# Altium PCB FMC_ADC_130M_16B_4CH.PcbDoc (part 3 of 8) (continued)
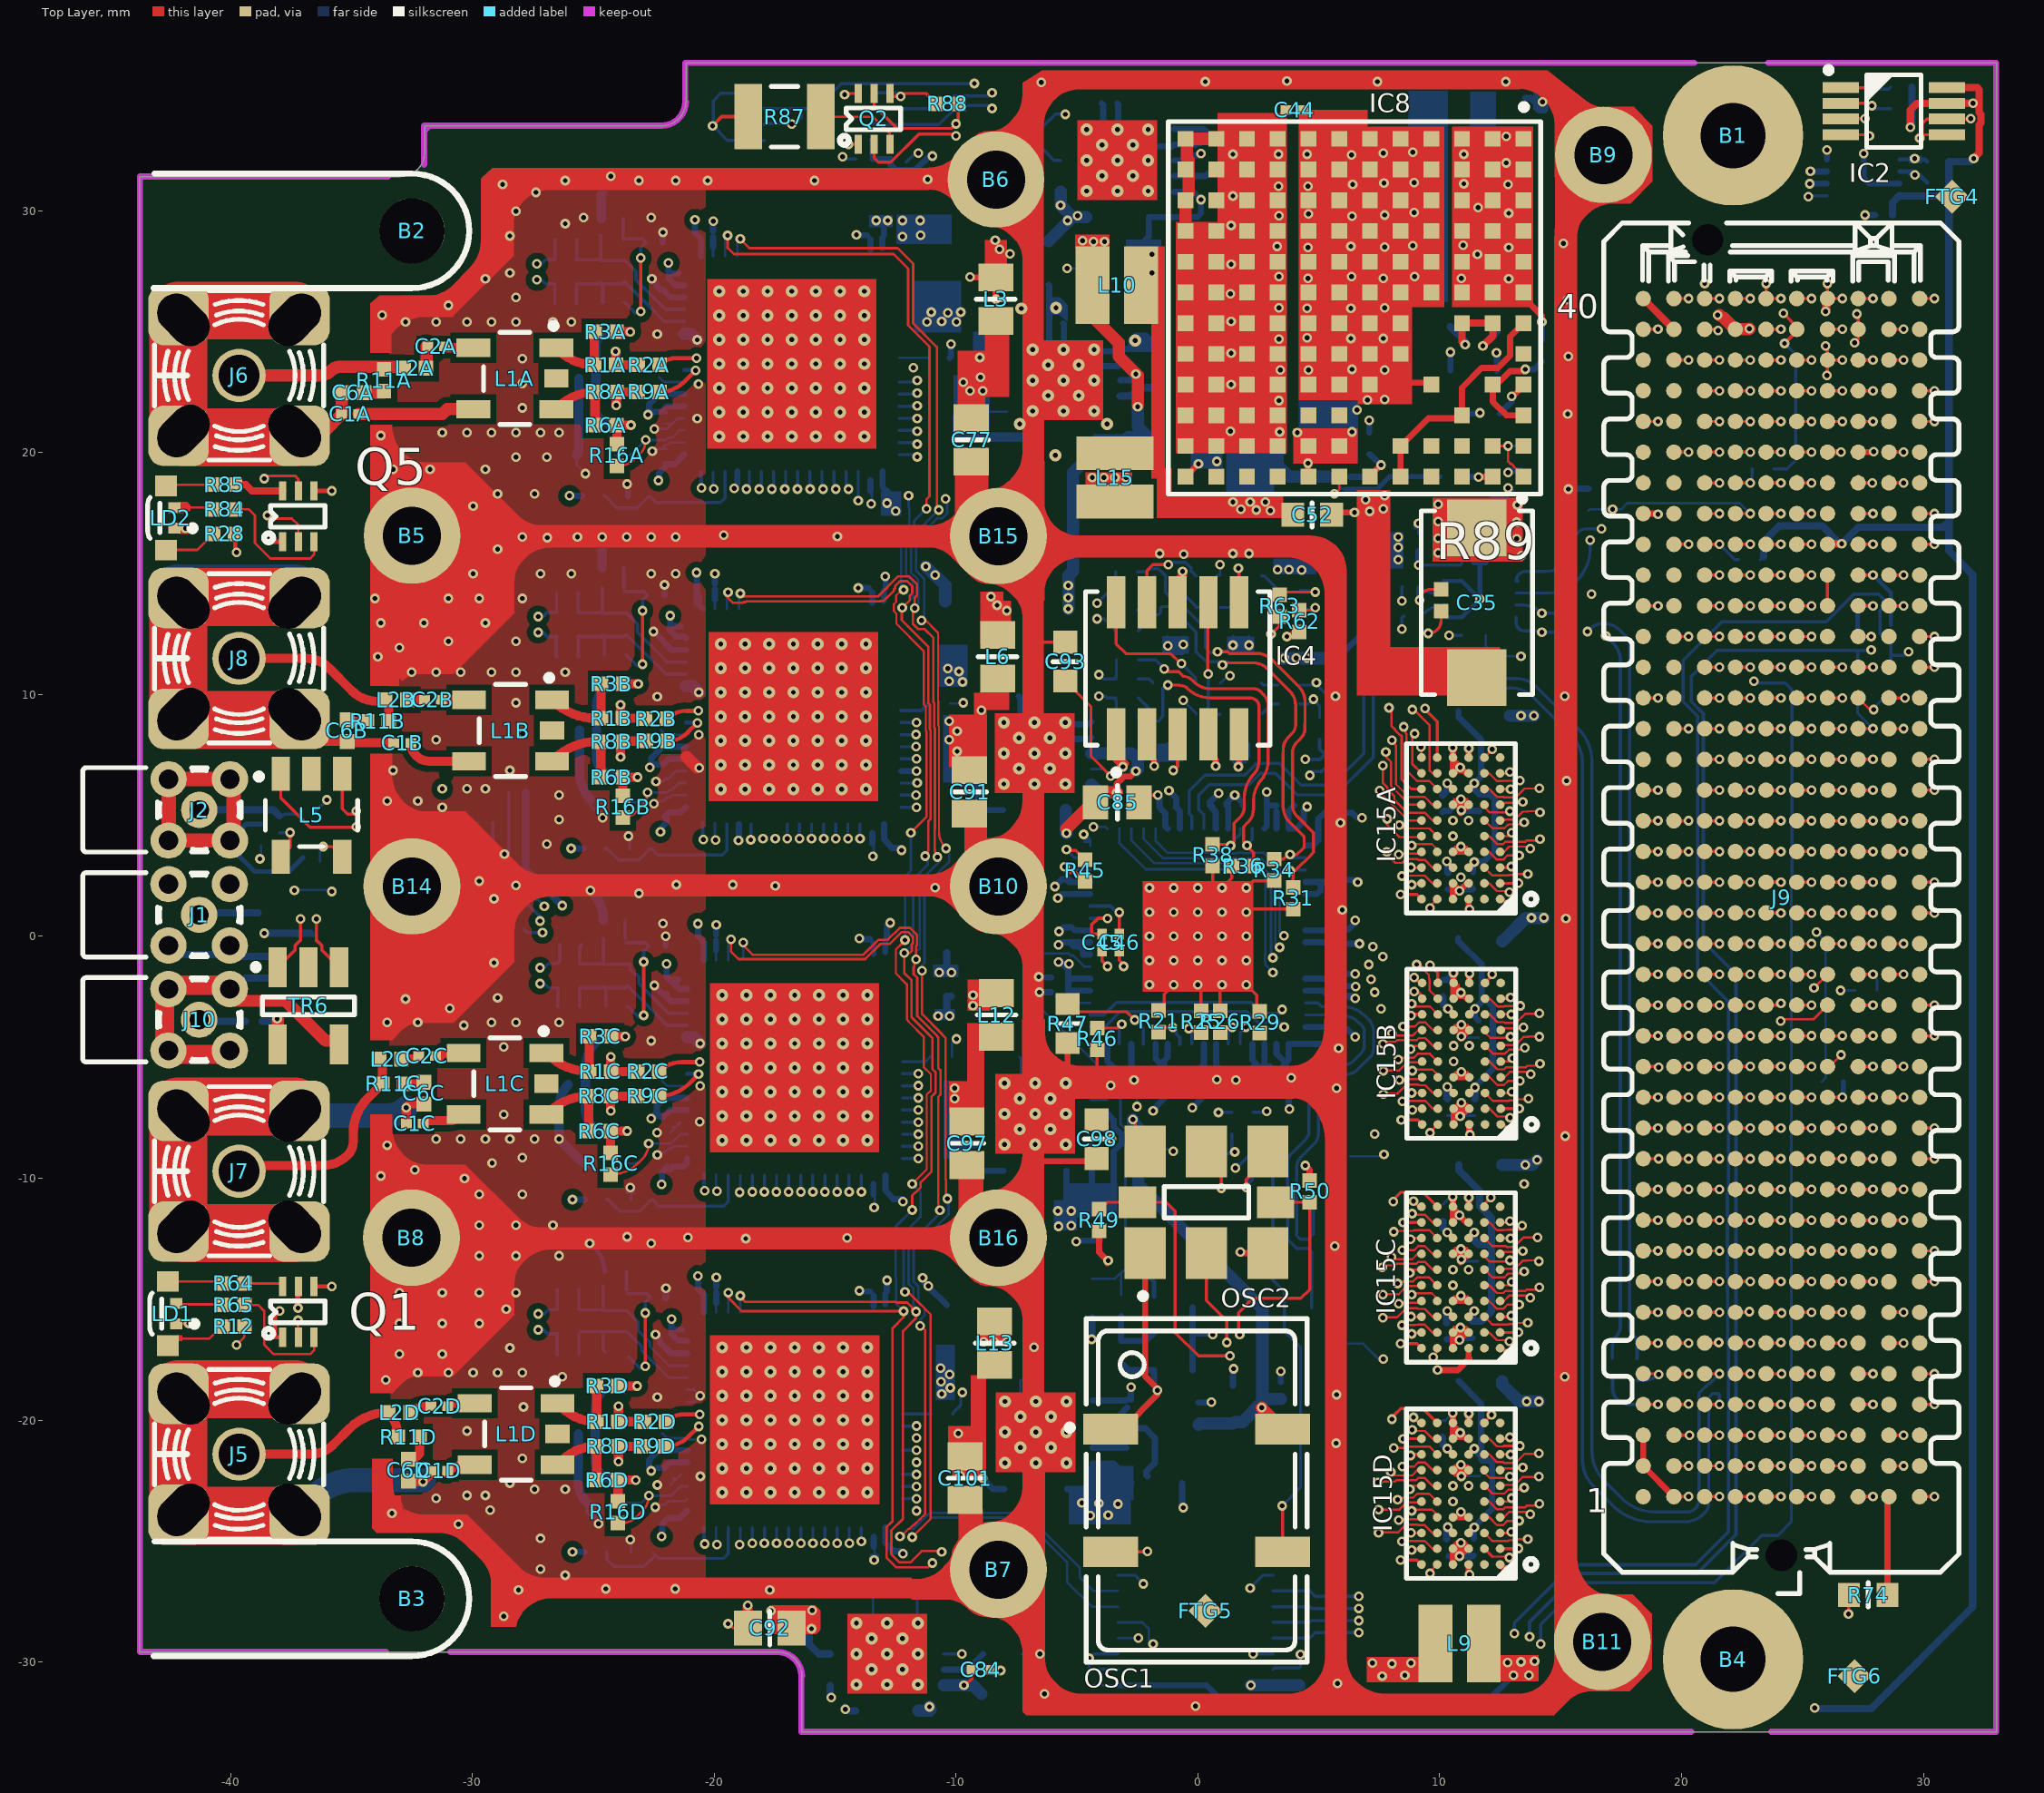
[diagram p0: Top Layer view]
## Nets (pads, with @x,y where several pads share a name; then routed paths per layer and width w, separated by ;. In a path a pad name is that pad's centre, name@x,y a point inside that pad or via, vN(x,y) a via of type N, cw(c..) or ccw(c..) an arc to the next point about the centre after c; other vN are vias at no path point) (continued)
  L3 w0.127: v1(13.64,-24.929) 21.311,-24.929 22.403,-23.836 22.403,-20.303 23.304,-19.401 23.304,-19.146 23.306,-19.144 23.306,-18.878 23.428,-18.756 23.428,-18.274 23.768,-17.934 23.768,-17.925 24.299,-17.394 24.365,-17.394 24.665,-17.094 25.095,-17.094 v1(25.375,-16.815)
B_DA13A: IC15A.C1 J9.h22 | length 10.1
  Top Layer w0.127: IC15A.C1@12.496,2.84 12.909,2.84 v1(12.954,2.884) ; J9.h22@20.953,3.505 v1(21.565,3.505)
  L5 w0.127: v1(12.954,2.884) 13.428,2.884 13.489,2.945 18.509,2.945 18.542,2.912 18.872,2.912 20.971,2.912 v1(21.565,3.505)
  L3 w0.127: v1(12.954,2.884) 12.979,2.859 v1@13.065,2.945
B_DA13B: IC15B.C1 J9.k14 | length 7.3
  Top Layer w0.127: IC15B.C1@12.522,-6.478 12.935,-6.478 v1(12.98,-6.433) ; J9.k14@18.413,-6.655 v1(19.025,-6.655)
  L3 w0.127: v1(12.98,-6.433) 13.421,-6.433 13.514,-6.341 13.816,-6.341 13.849,-6.373 18.743,-6.373 v1(19.025,-6.655)
B_DA13C: IC15C.C1 J9.d9 | length 16.1
  Top Layer w0.127: IC15C.C1@12.496,-15.728 12.909,-15.728 v1(12.954,-15.683) ; J9.d9@26.033,-13.005 v1(26.645,-13.005)
  L5 w0.127: v1(12.954,-15.683) 13.417,-15.683 13.53,-15.57 15.9,-15.57 17.551,-13.919 18.864,-13.919 18.873,-13.91 25.867,-13.91 26.645,-13.132 v1(26.645,-13.005)
  L3 w0.127: v1(12.954,-15.683) 12.979,-15.708 v1@13.065,-15.623
B_DA13D: IC15D.C1 J9.e7 | length 20.1
  Top Layer w0.127: IC15D.C1@12.496,-24.668 12.909,-24.668 v1(12.954,-24.624) ; J9.e7@24.763,-15.545 v1(25.375,-15.545)
  L3 w0.127: v1(12.954,-24.624) 12.979,-24.649 13.065,-24.564 21.004,-24.564 22.123,-23.444 22.123,-19.186 22.86,-18.45 22.986,-18.45 23.2,-18.236 23.2,-18.171 24.205,-17.165 24.225,-17.165 24.236,-17.154 24.256,-17.154 24.47,-16.941 24.47,-16.638 24.46,-16.629 24.46,-16.561 25.375,-15.646 v1(25.375,-15.545)
B_DA14A: IC15A.B2 J9.c22 | length 18.5
  Top Layer w0.089: IC15A.B2@11.846,2.19 12.042,2.19 12.363,1.869 12.801,1.869 v1@12.805,1.865 ; v1@12.7,1.868 v1@12.704,1.865 ; v1(12.885,1.825) 12.845,1.865 v1@12.805,1.865 ; v1@12.704,1.865 12.725,1.843 12.827,1.843 v1@12.805,1.865 ; v1@12.704,1.865 v1@12.805,1.865
  Top Layer w0.127: J9.c22@27.303,3.505 v1(27.915,3.505)
  L5 w0.127: v1(12.885,1.825) 18.165,1.825 18.415,1.575 26.848,1.575 27.462,2.189 27.462,2.57 27.915,3.023 v1(27.915,3.505)
B_DA14B: IC15B.B2 J9.j12 | length 10.3
  Top Layer w0.089: IC15B.B2@11.872,-7.128 12.068,-7.128 12.389,-7.449 12.827,-7.449 v1@12.831,-7.453 ; v1@12.726,-7.449 v1@12.73,-7.453 ; v1(12.911,-7.493) 12.871,-7.453 v1@12.831,-7.453 ; v1@12.73,-7.453 12.751,-7.475 12.853,-7.475 v1@12.831,-7.453 ; v1@12.73,-7.453 v1@12.831,-7.453
  Top Layer w0.127: J9.j12@19.683,-9.195 v1(20.295,-9.195)
  L3 w0.127: v1(12.911,-7.493) 13.487,-7.493 13.64,-7.341 16.764,-7.341 18.059,-8.636 19.736,-8.636 v1(20.295,-9.195)
B_DA14C: IC15C.B2 J9.h7 | length 11.3
  Top Layer w0.089: IC15C.B2@11.846,-16.378 12.042,-16.378 12.363,-16.699 12.801,-16.699 v1@12.805,-16.703 ; v1@12.7,-16.699 v1@12.704,-16.703 ; v1(12.885,-16.743) 12.845,-16.703 v1@12.805,-16.703 ; v1@12.704,-16.703 12.725,-16.724 12.827,-16.724 v1@12.805,-16.703 ; v1@12.704,-16.703 v1@12.805,-16.703
  Top Layer w0.127: J9.h7@20.953,-15.545 v1(21.565,-15.545)
  L5 w0.127: v1(12.885,-16.743) 17.217,-16.743 18.059,-15.9 18.864,-15.9 18.873,-15.91 19.176,-15.91 19.181,-15.905 20.138,-15.905 20.143,-15.91 21.2,-15.91 v1(21.565,-15.545)
B_DA14D: IC15D.B2 J9.f4 | length 18.9
  Top Layer w0.089: 12.171,-25.643 v1@12.805,-25.643
  Top Layer w0.127: IC15D.B2@11.846,-25.318 12.171,-25.643 ; v1@12.7,-25.64 v1@12.704,-25.643 ; v1(12.885,-25.683) 12.845,-25.643 v1@12.805,-25.643 ; J9.f4@23.493,-19.355 v1(24.105,-19.355) ; v1@12.704,-25.643 12.725,-25.665 12.827,-25.665 v1@12.805,-25.643 ; v1@12.704,-25.643 v1@12.805,-25.643
  L3 w0.127: v1(12.885,-25.683) 21.542,-25.683 23.419,-23.806 24.226,-23.806 24.511,-23.52 24.511,-19.761 v1(24.105,-19.355)
B_DA15A: IC15A.B1 J9.g21 | length 11.2
  Top Layer w0.127: IC15A.B1@12.496,2.19 12.996,2.19 13.005,2.199 v1(13.259,2.199) ; J9.g21@22.223,2.235 v1(22.835,2.235)
  L5 w0.127: v1(13.259,2.199) 18.545,2.199 18.873,1.87 22.47,1.87 v1(22.835,2.235)
B_DA15B: IC15B.B1 J9.k13 | length 7.5
  Top Layer w0.127: IC15B.B1@12.522,-7.128 13.022,-7.128 13.031,-7.119 v1(13.285,-7.119) ; J9.k13@18.413,-7.925 v1(19.025,-7.925)
  L3 w0.127: v1(13.285,-7.119) 14.214,-7.119 17.914,-7.119 18.72,-7.925 v1(19.025,-7.925)
B_DA15C: IC15C.B1 J9.d8 | length 15.6
  Top Layer w0.127: IC15C.B1@12.496,-16.378 12.996,-16.378 13.005,-16.369 v1(13.259,-16.369) ; J9.d8@26.033,-14.275 v1(26.645,-14.275)
  L5 w0.127: v1(13.259,-16.369) 16.067,-16.369 17.297,-15.138 25.324,-15.138 26.187,-14.275 v1(26.645,-14.275)
B_DA15D: IC15D.B1 J9.f5 | length 17.9
  Top Layer w0.127: IC15D.B1@12.496,-25.318 12.996,-25.318 13.005,-25.31 v1(13.259,-25.31) ; J9.f5@23.493,-18.085 24.104,-18.085 v1(24.134,-18.085)
  L3 w0.127: v1(13.259,-25.31) 20.955,-25.31 21.415,-25.31 23.533,-23.192 23.533,-19.241 24.134,-18.64 v1(24.134,-18.085)
B_OFL_AA: IC15A.K2 J9.d20 | length 20.5
  Top Layer w0.102: IC15A.K2@11.846,7.39 12.141,7.685 12.217,7.685 v1(12.167,7.736)
  Top Layer w0.127: J9.d20@26.033,0.965 v1(26.645,0.965)
  L3 w0.127: v1(12.167,7.736) 18.172,7.736 20.41,5.498 25.601,5.498 25.908,5.191 25.908,1.702 v1(26.645,0.965)
B_OFL_AB: IC15B.K2 J9.k16 | length 9.1
  Top Layer w0.127: IC15B.K2@11.872,-1.928 12.167,-1.633 12.243,-1.633 12.185,-1.575 v1(12.167,-1.575) ; J9.k16@18.413,-4.115 v1(19.025,-4.115)
  L5 w0.127: v1(12.167,-1.575) 14.884,-1.575 17.424,-4.115 v1(19.025,-4.115)
  L3 w0.127: v1(12.167,-1.575) 12.185,-1.575 v1@12.193,-1.582
B_OFL_AC: IC15C.K2 J9.g6 | length 18.9
  Top Layer w0.111: IC15C.K2@11.846,-11.178 11.846,-11.065 v1(12.116,-10.795)
  Top Layer w0.127: J9.g6@22.223,-16.815 v1(22.835,-16.815)
  L5 w0.127: v1(12.116,-10.795) 12.116,-17.323 12.573,-17.78 13.335,-17.78 13.919,-17.196 22.454,-17.196 v1(22.835,-16.815)
B_OFL_AD: IC15D.K2 J9.e2 | length 15.2
  Top Layer w0.127: IC15D.K2@11.846,-20.118 11.846,-20.082 v1(12.141,-19.787) ; J9.e2@24.763,-21.895 v1(25.375,-21.895)
  L5 w0.127: v1(12.141,-19.787) 16.891,-19.787 18.313,-21.209 24.689,-21.209 v1(25.375,-21.895)
BUF_SUPA: C23A.2 C24A.2 IC15A.C3 IC15A.H3 L14A.1 | length 8.3
  Bottom Layer w0.254: L14A.1@10.784,9.296 10.784,9.053 11.709,8.128 11.709,6.604 v1(11.43,6.325) 11.43,6.065 C24A.2@11.633,5.862 12.071,5.862 12.268,5.664 12.268,3.531 11.836,3.099 11.43,3.099 11.379,3.048 C23A.2@11.379,2.661
  other v1: 11.43,3.073
BUF_SUPB: C23B.2 C24B.2 IC15B.C3 IC15B.H3 L14B.1 | length 8.8
  Bottom Layer w0.254: L14B.1@10.759,-0.076 10.759,-0.192 11.738,-1.172 11.738,-2.467 ; v1@11.456,-6.219 12.192,-5.483 12.192,-2.921 11.738,-2.467 ; C24B.2@11.608,-3.485 11.456,-3.334 v1(11.456,-2.993) 11.738,-2.711 11.738,-2.467 ; 11.76,-2.489 11.738,-2.467
  Bottom Layer w0.305: C23B.2@11.455,-6.711 v1@11.455,-6.22
  other v1: 11.455,-6.248
BUF_SUPC: C23C.2 C24C.2 IC15C.C3 IC15C.H3 L14C.1 | length 9.1
  Bottom Layer w0.305: L14C.1@10.784,-9.449 10.784,-9.666 11.655,-10.538 11.655,-11.147 12.141,-11.633 12.141,-15.494 11.729,-15.906 11.354,-15.906 11.354,-15.545 v1@11.43,-15.469 ; v1(11.43,-12.243) 11.43,-12.579 11.582,-12.731 12.059,-12.731
  other v1: 11.43,-15.494
BUF_SUPD: C23D.2 C24D.2 IC15D.C3 IC15D.H3 L14D.1 | length 7.9
  Bottom Layer w0.254: L14D.1@10.784,-18.39 11.713,-19.318 11.713,-21.257 11.709,-21.26 11.709,-21.615 11.76,-21.666 12.116,-21.666 12.167,-21.717 12.167,-23.675 12.164,-23.675 11.405,-24.435 C23D.2@11.405,-24.898 ; v1@11.455,-21.26 C24D.2@11.633,-21.438
  other v1: 11.43,-24.435 11.43,-21.184
CH1.CLKOUTA: IC1A.41 IC15A.K5 | length 32.6
  Top Layer w0.127: v1(9.398,9.423) 9.373,9.398 9.896,8.874 IC15A.K5@9.896,7.39
  L3 w0.089: v1(-11.767,23.51) -11.176,23.51 -8.459,20.794 -7.35,20.794 -4.818,18.263 -0.168,18.263 0.67,19.101 4.122,19.101 4.223,18.999 4.295,18.999 7.836,15.458 7.836,11.024 9.398,9.462 v1(9.398,9.423)
CH1.DA0: IC1A.42 IC15A.J5 | length 33.6
  Top Layer w0.089: v1(8.865,9.373) 8.89,9.373 8.915,9.398 9.576,8.738 9.576,6.864 9.7,6.74 IC15A.J5@9.896,6.74
  L3 w0.089: v1(-11.608,22.983) -11.176,22.983 -9.386,21.193 -9.146,21.193 -8.544,20.591 -7.434,20.591 -4.877,18.034 -0.11,18.034 0.754,18.898 4.037,18.898 4.139,18.796 4.175,18.796 7.607,15.364 7.607,10.929 8.747,9.789 8.747,9.541 v1@8.89,9.398
  Bottom Layer w0.127: IC1A.42@-12.344,22.916 -11.675,22.916 v1(-11.608,22.983)
CH1.DA1: IC1A.43 IC15A.J6 | length 32.8
  Top Layer w0.102: v1(8.966,8.382) 8.868,8.284 8.868,7.118 IC15A.J6@9.246,6.74
  L3 w0.089: v1(-11.608,22.457) -11.176,22.457 -9.684,20.965 -9.205,20.965 -8.628,20.388 -7.518,20.388 -4.936,17.805 -0.051,17.805 0.838,18.694 3.953,18.694 7.379,15.269 7.379,10.835 8.5,9.714 8.5,9.221 8.518,9.203 8.51,9.194 8.966,8.738 v1@8.966,8.407 ; v1@8.954,8.395 v1(8.966,8.382)
  Bottom Layer w0.127: IC1A.43@-12.344,22.416 -11.648,22.416 v1(-11.608,22.457)
CH1.DA2: IC1A.44 IC15A.H5 | length 33.6
  Top Layer w0.089: v1(8.509,8.661) 8.585,8.585 8.585,8.407 8.62,8.372 8.62,6.864 9.068,6.417 9.569,6.417 IC15A.H5@9.896,6.09
  L3 w0.089: v1(-11.608,21.93) -11.176,21.93 -9.982,20.736 -9.264,20.736 -8.712,20.184 -7.602,20.184 -6.307,18.889 -5.071,17.653 -5.045,17.628 -5.02,17.602 -4.676,17.602 0.102,17.602 0.991,18.491 3.833,18.491 7.15,15.174 7.15,10.739 8.271,9.619 8.271,8.899 v1(8.509,8.661)
  Bottom Layer w0.127: IC1A.44@-12.344,21.916 -11.621,21.916 v1(-11.608,21.93)
CH1.DA3: IC1A.45 IC15A.H6 | length 32.2
  Top Layer w0.102: v1(7.899,9.449) 7.925,9.449 7.95,9.474 8.001,9.474 8.001,8.695 8.157,8.54 8.157,8.515 8.363,8.309 8.387,8.309 8.423,8.273 8.423,6.486 8.82,6.09 IC15A.H6@9.246,6.09
  L3 w0.089: v1(-11.608,21.403) -11.176,21.403 -10.281,20.507 -9.322,20.507 -8.796,19.981 -7.686,19.981 -4.931,17.226 4.802,17.226 6.896,15.132 6.896,15.105 6.921,15.08 6.921,10.427 v1(7.899,9.449)
  Bottom Layer w0.127: IC1A.45@-12.344,21.416 -11.621,21.416 v1(-11.608,21.403)
CH1.DA4: IC1A.46 IC15A.G5 | length 33.1
  Top Layer w0.089: v1(8.026,8.103) 8.128,8.204 8.153,8.204 8.153,7.915 8.191,7.877 8.191,6.287 8.717,5.761 9.379,5.761 9.7,5.44 IC15A.G5@9.896,5.44
  L3 w0.089: v1(-11.608,20.876) -11.176,20.876 -10.579,20.279 -9.381,20.279 -8.88,19.778 -7.77,19.778 -5.015,17.023 4.718,17.023 6.693,15.048 6.693,10.271 7.554,9.409 7.554,8.575 v1(8.026,8.103)
  Bottom Layer w0.127: IC1A.46@-12.344,20.916 -11.648,20.916 v1(-11.608,20.876)
CH1.DA5: IC1A.47 IC15A.G6 | length 32.1
  Top Layer w0.089: v1(7.772,7.62) 7.772,7.407 7.789,7.407 7.991,7.205 7.991,6.234 8.004,6.221 8.004,6.194 8.759,5.44 IC15A.G6@9.246,5.44
  L3 w0.089: v1(-11.608,20.349) -11.176,20.349 -10.878,20.05 -9.44,20.05 -8.964,19.575 -7.855,19.575 -5.099,16.819 4.634,16.819 6.464,14.989 6.464,10.212 7.351,9.325 7.351,8.455 7.661,8.144 7.661,7.951 7.772,7.84 v1(7.772,7.62)
  Bottom Layer w0.127: IC1A.47@-12.344,20.416 -11.675,20.416 v1(-11.608,20.349)
CH1.DA6: IC1A.48 IC15A.F5 | length 32.6
  Top Layer w0.089: v1(7.645,7.061) 7.645,6.34 7.651,6.34 7.839,6.153 7.839,6.08 8.128,5.791 8.128,5.639 8.656,5.111 9.379,5.111 9.7,4.79 IC15A.F5@9.896,4.79
  L3 w0.089: v1(-11.608,19.822) -9.499,19.822 -9.049,19.372 -7.939,19.372 -5.184,16.616 4.55,16.616 6.236,14.93 6.236,10.153 7.148,9.241 7.148,8.335 7.407,8.075 7.407,7.469 v1@7.621,7.255
  Bottom Layer w0.127: IC1A.48@-12.344,19.916 -11.702,19.916 v1(-11.608,19.822)
CH1.DA7: IC1A.51 IC15A.F6 | length 35.5
  Top Layer w0.089: v1(7.518,6.02) 7.468,5.969 7.518,5.969 8.698,4.79 IC15A.F6@9.246,4.79
  L3 w0.089: v1@-14.021,18.009 -14.021,17.704 -13.37,17.053 -10.06,17.053 -8.926,18.187 -7.239,18.187 -5.436,16.383 4.496,16.383 5.994,14.884 5.994,10.107 6.945,9.157 6.945,8.088 7.188,7.844 7.188,6.299 v1@7.493,5.994
  Bottom Layer w0.127: v1(-14.046,18.009) -14.044,18.01 IC1A.51@-14.044,19.216
CH1.DA8: IC1A.52 IC15A.E5 | length 33.7
  Top Layer w0.089: v1@8.382,4.623 8.544,4.461 9.567,4.461 9.888,4.14 IC15A.E5@9.896,4.14
  L3 w0.089: v1(-14.45,18.491) -14.45,17.426 -13.848,16.824 -11.317,16.824 -11.266,16.773 -11.223,16.773 -11.061,16.612 -10.99,16.612 -9.017,14.639 -9.017,13.855 -8.218,13.056 -5.86,13.056 -4.371,11.566 -3.78,11.566 -3.343,11.129 -3.343,10.806 -2.937,10.399 -2.937,10.132 -2.016,9.211 -0.154,9.211 -0.078,9.287 5.458,9.287 6.985,7.76 6.985,6.045 7.275,5.755 7.275,5.752 7.642,5.385 7.645,5.385 7.814,5.216 7.974,5.216 8.188,5.003 8.188,4.842 8.331,4.699 v1(8.331,4.597)
  Bottom Layer w0.127: IC1A.52@-14.544,19.216 -14.544,18.586 v1(-14.45,18.491)
CH1.DA9: IC1A.53 IC15A.E6 | length 33.6
  Top Layer w0.089: v1@7.823,4.81 7.823,4.616 8.334,4.105 9.212,4.105 IC15A.E6@9.246,4.14
  L3 w0.089: v1(-14.977,18.491) -14.977,17.626 -13.946,16.596 -11.412,16.596 -11.386,16.57 -11.307,16.57 -11.12,16.383 -11.084,16.383 -9.246,14.544 -9.246,13.76 -8.313,12.827 -5.955,12.827 -4.491,11.363 -3.865,11.363 -3.547,11.045 -3.547,10.722 -3.14,10.315 -3.14,10.012 -2.755,9.627 -2.75,9.627 -2.725,9.601 -2.718,9.601 ; -2.743,9.627 -2.718,9.601 ; v1@7.823,4.801 7.528,5.096 7.528,5.211 6.782,5.957 6.782,7.676 5.374,9.084 0.006,9.084 -0.07,9.008 -2.124,9.008 -2.718,9.601
  Bottom Layer w0.127: IC1A.53@-15.044,19.216 -15.044,18.559 v1(-14.977,18.491)
  other v1: 7.823,4.851
CH1.DA10: IC1A.54 IC15A.D5 | length 34.9
  Top Layer w0.089: v1@8.816,3.736 v1(8.839,3.759) 8.891,3.811 9.677,3.811 9.896,3.591 IC15A.D5@9.896,3.49
  L3 w0.089: v1(-15.504,18.491) -15.504,17.866 -14.005,16.367 -11.392,16.367 -9.474,14.45 -9.474,13.665 -8.407,12.598 -6.05,12.598 -4.612,11.16 -3.949,11.16 -3.75,10.961 -3.75,10.637 -3.343,10.231 -3.343,9.892 -2.256,8.804 0.014,8.804 0.091,8.881 5.29,8.881 6.579,7.592 6.579,5.873 7.325,5.127 7.325,4.842 7.458,4.708 7.458,4.7 7.672,4.486 7.68,4.486 8.382,3.785 v1@8.788,3.785 ; v1@8.788,3.759 v1(8.839,3.759)
  Bottom Layer w0.127: IC1A.54@-15.544,19.216 -15.544,18.532 v1(-15.504,18.491)
CH1.DA11: IC1A.55 IC15A.D6 | length 34.9
  Top Layer w0.089: v1@8.255,3.429 8.271,3.413 9.17,3.413 IC15A.D6@9.246,3.49
  L3 w0.089: v1(-16.031,18.491) -16.031,16.885 -14.639,15.494 -12.699,15.494 -12.318,15.113 -12.014,15.113 -10.472,13.571 -9.703,13.571 -8.502,12.37 -6.145,12.37 -4.429,10.654 -4.429,10.618 -4.275,10.465 -3.865,10.465 -3.547,10.147 -3.547,9.772 -2.376,8.601 0.099,8.601 0.175,8.677 5.206,8.677 6.375,7.507 6.375,5.789 7.121,5.043 7.121,4.664 7.933,3.853 7.955,3.853 7.989,3.819 8,3.819 8.214,3.606 8.214,3.572 8.331,3.454 v1@8.331,3.404
  Bottom Layer w0.127: IC1A.55@-16.044,19.216 -16.044,18.505 v1(-16.031,18.491)
  other v1: 8.306,3.378
CH1.DA12: IC1A.56 IC15A.C5 | length 36.6
  Top Layer w0.089: v1@7.772,3.48 7.772,3.422 8.162,3.032 8.449,3.032 8.608,3.191 9.083,3.191 9.113,3.161 9.379,3.161 9.7,2.84 IC15A.C5@9.896,2.84
  L3 w0.089: v1(-16.558,18.491) -16.558,16.991 -14.817,15.249 -12.777,15.249 -12.412,14.884 -12.109,14.884 -10.566,13.342 -9.797,13.342 -8.597,12.141 -6.239,12.141 -4.36,10.262 -3.949,10.262 -3.75,10.063 -3.75,9.652 -2.496,8.398 0.183,8.398 0.259,8.474 5.121,8.474 6.172,7.423 6.172,5.187 6.278,5.082 6.436,4.924 6.436,4.859 6.442,4.853 6.442,4.761 6.641,4.563 6.74,4.563 7.849,3.454 7.798,3.454 7.804,3.461 v1(7.804,3.488)
  Bottom Layer w0.127: v1(-16.558,18.491) -16.544,18.505 IC1A.56@-16.544,19.216
CH1.DA13: IC1A.57 IC15A.C6 | length 35.9
  Top Layer w0.089: v1(8.814,2.845) 8.819,2.84 IC15A.C6@9.246,2.84
  L3 w0.089: v1(-17.085,18.491) -17.085,17.194 -14.658,14.767 -13.878,14.767 -13.665,14.554 -13.115,14.554 -13.08,14.519 -12.877,14.519 -12.318,13.961 -11.548,13.961 -10.546,12.959 -9.779,12.959 -8.139,11.319 -5.967,11.319 -4.23,9.582 -4.004,9.582 -2.616,8.195 0.267,8.195 0.343,8.271 5.037,8.271 5.969,7.339 5.969,5.103 6.232,4.84 6.232,4.775 6.239,4.769 6.239,4.677 6.557,4.359 6.62,4.359 ; 6.629,4.359 6.62,4.359 ; 7.661,3.115 7.653,3.123 ; v1(8.814,2.845) 8.594,2.845 8.584,2.854 8.576,2.854 8.534,2.896 7.899,2.896 7.672,3.123 7.653,3.123 ; 6.62,4.359 7.433,3.547 7.433,3.343 7.653,3.123
  Bottom Layer w0.127: v1(-17.085,18.491) -17.044,18.532 IC1A.57@-17.044,19.216
CH1.DA14: IC1A.58 IC15A.B5 | length 37.7
  Top Layer w0.089: v1(8.433,2.489) 8.454,2.511 9.379,2.511 9.7,2.19 IC15A.B5@9.896,2.19
  L3 w0.089: v1(-17.612,18.491) -17.612,17.398 -13.549,13.335 -12.549,13.335 -11.856,12.642 -9.786,12.642 -8.234,11.09 -6.026,11.09 -4.314,9.379 -4.124,9.379 -2.736,7.992 0.351,7.992 0.427,8.068 4.953,8.068 5.766,7.255 5.766,5.293 5.521,5.048 5.521,4.777 5.528,4.771 5.528,4.548 6.411,3.664 6.794,3.664 7.07,3.388 7.081,3.388 7.756,2.713 7.756,2.701 7.969,2.489 v1(8.433,2.489)
  Bottom Layer w0.127: v1(-17.612,18.491) -17.544,18.559 IC1A.58@-17.544,19.216
CH1.DA15: IC1A.59 IC15A.B6 | length 36.1
  Top Layer w0.089: v1(8.839,2.134) 8.839,2.159 8.87,2.19 IC15A.B6@9.246,2.19
  L3 w0.089: v1(-18.139,18.491) -18.139,17.602 -13.604,13.067 -12.605,13.067 -11.951,12.414 -9.881,12.414 -8.329,10.862 -6.085,10.862 -4.398,9.176 -4.244,9.176 -2.856,7.788 0.435,7.788 0.511,7.865 2.448,7.865 4.41,5.902 4.746,5.902 4.756,5.893 4.851,5.893 5.293,5.452 5.293,4.683 5.299,4.676 5.299,4.485 6.323,3.461 6.709,3.461 6.986,3.184 6.997,3.184 7.553,2.628 7.553,2.617 7.704,2.466 7.704,2.425 7.82,2.309 ; 7.823,2.311 8.01,2.124 8.83,2.124 v1(8.839,2.134)
  Bottom Layer w0.127: v1(-18.139,18.491) -18.044,18.586 IC1A.59@-18.044,19.216
CH1.OF_A: IC1A.60 IC15A.A6 | length 36.7
  Top Layer w0.127: v1(8.382,1.727) 9.059,1.727 IC15A.A6@9.246,1.54
  L3 w0.089: v1(-18.666,18.491) -18.666,17.805 -13.699,12.839 -12.699,12.839 -12.046,12.185 -9.975,12.185 -8.423,10.633 -6.143,10.633 -4.483,8.973 -4.364,8.973 -2.976,7.585 0.519,7.585 0.596,7.661 2.364,7.661 4.335,5.69 4.371,5.69 4.38,5.699 4.662,5.699 5.055,5.306 5.055,5.156 5.064,5.166 5.064,4.588 5.071,4.581 5.071,4.426 6.239,3.258 6.625,3.258 6.902,2.981 6.913,2.981 7.35,2.544 7.35,2.533 7.501,2.382 7.501,2.305 8.079,1.727 v1@8.331,1.727
  Bottom Layer w0.127: v1(-18.666,18.491) -18.544,18.613 IC1A.60@-18.544,19.216
CH2.CLKOUTA: IC1B.41 IC15B.K5 | length 27.8
  Top Layer w0.127: v1(9.601,-1.194) 9.922,-1.515 IC15B.K5@9.922,-1.928
  L3 w0.089: v1@-11.659,8.842 -11.644,8.842 -11.294,8.492 -11.294,8.477 -8.684,5.867 -3.757,5.867 -3.034,5.145 -0.254,5.145 -0.051,5.348 3.862,5.348 6.155,3.055 6.541,3.055 6.818,2.778 6.829,2.778 7.147,2.46 7.147,2.449 7.298,2.298 7.298,1.495 8.839,-0.047 8.839,-0.508 9.16,-0.829 9.183,-0.829 9.382,-1.028 9.382,-1.051 9.525,-1.194 v1(9.601,-1.194)
  Bottom Layer w0.127: IC1B.41@-12.275,8.836 -11.707,8.836 v1@-11.684,8.814
  other v1: -11.633,8.839
CH2.DA0: IC1B.42 IC15B.J5 | length 28.1
  Top Layer w0.089: v1(9.042,-1.168) 9.179,-1.168 9.281,-1.27 9.281,-1.327 9.449,-1.495 9.449,-1.499 9.55,-1.6 9.55,-1.759 9.573,-1.781 9.573,-2.229 IC15B.J5@9.922,-2.578
  L3 w0.089: v1(-11.659,8.34) -11.644,8.34 -11.294,7.99 -11.294,7.975 -10.021,6.702 -9.843,6.702 -8.779,5.639 -4.721,5.639 -4.695,5.664 -3.841,5.664 -3.578,5.401 -3.118,4.941 -3.011,4.941 -0.834,4.941 -0.17,4.941 0.033,5.145 3.777,5.145 6.071,2.851 6.457,2.851 6.734,2.575 6.745,2.575 6.944,2.376 6.944,2.365 7.02,2.289 7.02,1.485 7.452,1.054 8.636,-0.131 8.636,-0.306 8.636,-0.711 v1@9.068,-1.143
  Bottom Layer w0.127: IC1B.42@-12.275,8.336 -11.663,8.336 v1(-11.659,8.34)
CH2.DA1: IC1B.43 IC15B.J6 | length 27.5
  Top Layer w0.127: v1(8.941,-2.286) 9.017,-2.21 9.272,-2.465 IC15B.J6@9.272,-2.578
  L3 w0.089: v1(-11.659,7.839) -11.5,7.68 -11.492,7.68 -11.294,7.481 -11.294,7.474 -10.294,6.474 -9.937,6.474 -8.874,5.41 -4.662,5.41 -4.611,5.461 -3.925,5.461 -3.203,4.738 -0.086,4.738 0.118,4.941 3.693,4.941 5.918,2.717 5.918,2.124 6.204,1.838 6.38,1.838 8.433,-0.215 8.433,-1.753 v1@8.966,-2.286
  Bottom Layer w0.127: IC1B.43@-12.275,7.836 -11.661,7.836 v1(-11.659,7.839)
CH2.DA2: IC1B.44 IC15B.H5 | length 28.1
  Top Layer w0.089: v1@8.972,-2.901 9.595,-2.901 IC15B.H5@9.922,-3.228
  L3 w0.089: v1(-11.633,7.341) -11.655,7.341 -11.659,7.337 -11.644,7.337 -11.294,6.987 -11.294,6.972 -10.567,6.245 -10.032,6.245 -8.968,5.182 -4.603,5.182 -4.527,5.258 -4.01,5.258 -3.287,4.535 -0.001,4.535 0.202,4.738 3.609,4.738 5.715,2.632 5.715,2.04 6.12,1.635 6.295,1.635 8.23,-0.299 8.23,-2.159 v1@8.839,-2.769
  Bottom Layer w0.127: IC1B.44@-12.275,7.336 -11.659,7.336 -11.655,7.341 v1(-11.633,7.341)
  other v1: 8.839,-2.794
CH2.DA3: IC1B.45 IC15B.H6 | length 27.4
  Top Layer w0.127: v1(8.814,-3.273) 8.859,-3.228 IC15B.H6@9.272,-3.228
  L3 w0.089: v1@-11.484,6.836 -10.668,6.02 ; -10.668,6.017 -10.127,6.017 -9.063,4.953 -4.531,4.953 -4.531,4.967 -4.443,5.055 -4.094,5.055 -3.371,4.332 0.083,4.332 0.286,4.535 3.39,4.535 5.512,2.413 5.512,1.956 6.036,1.432 6.211,1.432 8.026,-0.383 8.026,-2.565 8.734,-3.273 v1(8.814,-3.273)
  Bottom Layer w0.254: IC1B.45@-12.275,6.836 v1@-11.659,6.836
  other v1: -11.633,6.833
CH2.DA4: IC1B.46 IC15B.G5 | length 29.6
  Top Layer w0.089: v1(8.484,-3.73) 8.966,-3.73 9.139,-3.557 9.405,-3.557 9.726,-3.878 IC15B.G5@9.922,-3.878
  L3 w0.089: v1@-11.659,6.334 -11.504,6.334 -9.449,4.279 -9.449,3.217 -9.912,2.754 -9.912,2.585 -9.931,2.565 -9.931,1.376 -8.657,0.102 -7.5,0.102 -6.096,-1.302 -6.096,-1.524 -5.029,-2.591 -4.337,-2.591 -3.998,-2.93 1.991,-2.93 3.226,-4.166 4.988,-4.166 5.582,-3.572 8.132,-3.572 8.289,-3.73 v1(8.484,-3.73)
  Bottom Layer w0.127: IC1B.46@-12.275,6.336 -11.672,6.336 v1@-11.659,6.35
  other v1: -11.608,6.35
CH2.DA5: IC1B.47 IC15B.G6 | length 29.3
  Top Layer w0.089: v1(8.027,-4.009) 8.116,-4.098 8.894,-4.098 9.114,-3.878 IC15B.G6@9.272,-3.878
  L3 w0.089: v1(-11.659,5.832) -11.644,5.832 -11.374,5.563 -11.056,5.563 -9.677,4.184 -9.677,3.312 -10.141,2.848 -10.141,2.679 -10.16,2.66 -10.16,1.282 -8.751,-0.127 -8.595,-0.127 -7.172,-1.55 -7.172,-1.922 -7.156,-1.939 -7.156,-2.642 -6.699,-3.099 -4.311,-3.099 -3.32,-4.089 -1.83,-4.089 -1.535,-4.385 5.233,-4.385 5.817,-3.801 6.654,-3.801 6.862,-4.009 v1(8.027,-4.009)
  Bottom Layer w0.127: IC1B.47@-12.275,5.836 -11.663,5.836 v1(-11.659,5.832)
CH2.DA6: IC1B.48 IC15B.F5 | length 29.8
  Top Layer w0.089: v1(7.646,-4.441) 7.732,-4.355 8.17,-4.355 8.234,-4.292 9.054,-4.292 9.139,-4.207 9.405,-4.207 9.726,-4.528 IC15B.F5@9.922,-4.528
  L3 w0.089: v1@-11.659,5.331 -11.147,5.331 -9.931,4.115 -9.931,3.381 -10.369,2.943 -10.369,2.774 -10.389,2.755 -10.389,1.187 -7.401,-1.801 -7.401,-2.017 -7.384,-2.033 -7.384,-2.736 -6.793,-3.327 -6.782,-3.327 -6.731,-3.378 -4.355,-3.378 -3.415,-4.318 -1.912,-4.318 -1.642,-4.588 5.317,-4.588 5.673,-4.232 6.053,-4.232 6.351,-4.531 6.654,-4.531 6.743,-4.441 v1(7.646,-4.441)
  Bottom Layer w0.127: IC1B.48@-12.275,5.336 -11.636,5.336 v1(-11.633,5.334)
CH2.DA7: IC1B.51 IC15B.F6 | length 28.6
  Top Layer w0.089: v1(8.789,-4.67) 8.931,-4.528 IC15B.F6@9.272,-4.528
  L3 w0.089: v1(-13.968,4.039) -13.832,3.902 -13.058,3.902 -12.626,3.471 -12.626,3.101 -7.629,-1.896 -7.629,-2.112 -7.613,-2.128 -7.613,-2.921 -6.876,-3.658 -6.87,-3.658 -6.851,-3.676 -4.38,-3.676 -3.51,-4.547 -1.985,-4.547 -1.741,-4.791 5.417,-4.791 5.613,-4.988 6.849,-4.988 6.96,-4.877 ; 6.96,-4.873 7.993,-4.873 8.13,-4.736 8.722,-4.736 v1(8.789,-4.67)
  Bottom Layer w0.127: IC1B.51@-13.975,4.636 -13.975,4.046 v1(-13.968,4.039)
CH2.DA8: IC1B.52 IC15B.E5 | length 29.8
  Top Layer w0.089: v1(8.281,-5.101) 8.367,-5.016 8.932,-5.016 9.091,-4.857 9.593,-4.857 9.914,-5.178 IC15B.E5@9.922,-5.178
  L3 w0.089: v1(-14.47,4.039) -14.47,4.024 -14.119,3.674 -13.392,3.674 -13.386,3.667 -13.29,3.667 -13.076,3.453 -13.076,3.173 -7.929,-1.974 -7.929,-2.928 -6.971,-3.886 -6.964,-3.886 -6.946,-3.905 -4.475,-3.905 -3.605,-4.775 -2.047,-4.775 -1.81,-5.012 5.093,-5.012 5.297,-5.216 7.022,-5.216 7.137,-5.101 v1(8.281,-5.101)
  Bottom Layer w0.127: IC1B.52@-14.475,4.636 -14.475,4.044 v1(-14.47,4.039)
CH2.DA9: IC1B.53 IC15B.E6 | length 29.5
  Top Layer w0.089: v1(7.671,-5.559) 7.687,-5.543 8.329,-5.543 8.659,-5.213 9.238,-5.213 IC15B.E6@9.272,-5.178
  L3 w0.089: v1(-14.971,4.039) -14.971,4.024 -13.538,2.591 -12.818,2.591 -8.158,-2.069 -8.158,-3.023 -7.066,-4.115 -7.059,-4.115 -7.04,-4.133 -4.57,-4.133 -3.699,-5.004 -2.134,-5.004 -1.913,-5.225 4.983,-5.225 5.203,-5.445 6.462,-5.445 6.582,-5.565 6.918,-5.565 6.924,-5.559 v1(7.671,-5.559)
  Bottom Layer w0.127: IC1B.53@-14.975,4.636 -14.975,4.043 v1(-14.971,4.039)
CH2.DA10: IC1B.54 IC15B.D5 | length 31.1
  Top Layer w0.089: v1@8.842,-5.582 v1(8.865,-5.559) 8.917,-5.507 9.703,-5.507 9.922,-5.727 IC15B.D5@9.922,-5.828
  L3 w0.089: v1(-15.473,4.039) -15.473,4.024 -13.811,2.362 -12.913,2.362 -8.387,-2.164 -8.387,-3.117 -7.161,-4.343 -7.154,-4.343 -7.135,-4.362 -4.664,-4.362 -3.794,-5.232 -2.209,-5.232 -1.979,-5.463 4.897,-5.463 5.108,-5.674 6.367,-5.674 6.617,-5.924 7.823,-5.924 8.188,-5.559 v1(8.865,-5.559)
  Bottom Layer w0.127: IC1B.54@-15.475,4.636 -15.475,4.041 v1(-15.473,4.039)
CH2.DA11: IC1B.55 IC15B.D6 | length 31.1
  Top Layer w0.089: v1@8.281,-5.889 8.297,-5.905 9.196,-5.905 IC15B.D6@9.272,-5.828
  L3 w0.089: v1(-15.975,4.039) -15.975,4.024 -14.084,2.134 -13.007,2.134 -8.615,-2.258 -8.615,-3.212 -7.255,-4.572 -7.248,-4.572 -7.23,-4.59 -4.759,-4.59 -3.889,-5.461 -2.261,-5.461 -1.422,-6.299 1.425,-6.299 1.434,-6.309 1.716,-6.309 1.725,-6.299 4.937,-6.299 5.334,-5.902 6.273,-5.902 6.523,-6.152 8.119,-6.152 v1(8.332,-5.94)
  Bottom Layer w0.127: v1@-15.975,4.039 IC1B.55@-15.975,4.636
CH2.DA12: IC1B.56 IC15B.C5 | length 32.6
  Top Layer w0.089: v1(7.671,-6.524) 7.671,-6.498 8.262,-6.498 8.634,-6.127 9.109,-6.127 9.139,-6.157 9.405,-6.157 9.726,-6.478 IC15B.C5@9.922,-6.478
  L3 w0.089: v1(-16.476,4.039) -16.476,4.024 -14.357,1.905 -13.081,1.905 -8.844,-2.332 -8.844,-3.307 -7.35,-4.801 -7.343,-4.801 -7.325,-4.819 -4.854,-4.819 -3.983,-5.69 -3.446,-5.69 -3.242,-5.894 -3.242,-6.242 -2.991,-6.493 -2.739,-6.493 -2.29,-6.493 -2.239,-6.544 5.494,-6.544 5.589,-6.639 7.556,-6.639 v1(7.671,-6.524)
  Bottom Layer w0.127: v1(-16.476,4.039) IC1B.56@-16.475,4.636
CH2.DA13: IC1B.57 IC15B.C6 | length 33
  Top Layer w0.089: v1(8.84,-6.473) 8.845,-6.478 IC15B.C6@9.272,-6.478
  L3 w0.089: v1(-16.978,4.039) -16.978,4.024 -14.63,1.676 -14.359,1.676 -12.724,0.041 -12.724,-0.643 -12.392,-0.976 -12.392,-0.982 -12.348,-1.026 ; -4.699,-5.385 -3.972,-6.112 -3.972,-6.323 -3.599,-6.696 -2.374,-6.696 -2.323,-6.747 -0.088,-6.747 -0.062,-6.772 5.399,-6.772 5.545,-6.918 7.793,-6.918 8.239,-6.473 8.298,-6.473 8.308,-6.463 8.61,-6.463 8.62,-6.473 v1(8.84,-6.473) ; -4.698,-5.384 -5.034,-5.048 -9.767,-5.048 -11.589,-3.226 -11.589,-1.785 -12.341,-1.033 ; -12.348,-1.026 -12.342,-1.026 -12.336,-1.033 -12.341,-1.033 ; -12.348,-1.026 -12.341,-1.033
  Bottom Layer w0.127: v1(-16.978,4.039) -16.975,4.041 IC1B.57@-16.975,4.636
CH2.DA14: IC1B.58 IC15B.B5 | length 34.7
  Top Layer w0.089: v1(8.459,-6.829) 8.48,-6.807 9.405,-6.807 9.726,-7.128 IC15B.B5@9.922,-7.128
  L3 w0.089: v1(-17.479,4.039) -17.479,4.024 -14.903,1.448 -14.545,1.448 -12.953,-0.144 -12.953,-0.738 -12.62,-1.07 -12.62,-1.077 -11.818,-1.88 -11.818,-3.32 -10.047,-5.092 -10.011,-5.092 -9.852,-5.251 -5.118,-5.251 -4.902,-5.467 -4.902,-5.469 -4.2,-6.171 -4.2,-6.823 -3.464,-7.56 -3.241,-7.56 -2.694,-8.107 -1.173,-8.107 -1.167,-8.112 0.335,-8.112 0.658,-7.788 3.015,-7.788 3.202,-7.602 6.034,-7.602 6.422,-7.214 7.821,-7.214 8.079,-6.956 8.332,-6.956 v1(8.459,-6.829)
CH2.DA15: IC1B.59 IC15B.B6 | length 34.4
  Top Layer w0.089: v1(8.865,-7.184) 8.865,-7.159 8.896,-7.128 IC15B.B6@9.272,-7.128
  L3 w0.089: v1(-17.981,4.039) -17.981,4.024 -14.338,0.381 -13.97,0.381 -13.863,0.274 -13.847,0.274 -13.633,0.06 -13.633,0.051 -13.608,0.025 -13.589,0.025 -13.181,-0.382 -13.181,-0.832 -12.849,-1.165 ; -12.852,-1.168 -12.047,-1.974 -12.047,-3.415 -10.167,-5.295 -10.095,-5.295 -9.936,-5.454 -5.203,-5.454 -5.105,-5.551 -5.105,-5.553 -4.429,-6.229 -4.429,-6.918 -3.559,-7.788 -3.335,-7.788 -2.788,-8.335 -1.267,-8.335 -1.262,-8.341 0.441,-8.341 0.559,-8.223 0.559,-8.211 0.753,-8.017 3.11,-8.017 3.296,-7.83 6.129,-7.83 6.517,-7.442 7.916,-7.442 8.164,-7.194 8.61,-7.194 8.62,-7.184 v1(8.865,-7.184)
CH2.OF_A: IC1B.60 IC15B.A6 | length 35.5
  Top Layer w0.127: v1(8.408,-7.591) 9.085,-7.591 IC15B.A6@9.272,-7.778
  L3 w0.089: v1(-18.491,3.988) -18.491,4.03 -18.483,4.039 -18.346,3.902 -18.346,3.887 -18.132,3.674 -18.117,3.674 -14.363,-0.081 -14.363,-0.242 -14.149,-0.456 -13.881,-0.456 -13.081,-1.256 -13.081,-1.263 -12.275,-2.069 -12.275,-3.51 -10.287,-5.498 -10.179,-5.498 -10.02,-5.657 -5.289,-5.657 -4.658,-6.288 -4.658,-7.012 -3.653,-8.017 -3.43,-8.017 -2.897,-8.55 0.543,-8.55 0.848,-8.246 3.204,-8.246 3.391,-8.059 6.223,-8.059 6.611,-7.671 8.328,-7.671 v1(8.408,-7.591)
  Bottom Layer w0.127: v1(-18.491,3.988) -18.491,4.03 -18.475,4.046 IC1B.60@-18.475,4.636